# KiCad board robot-hub_rev4.1.kicad_pcb (continued)
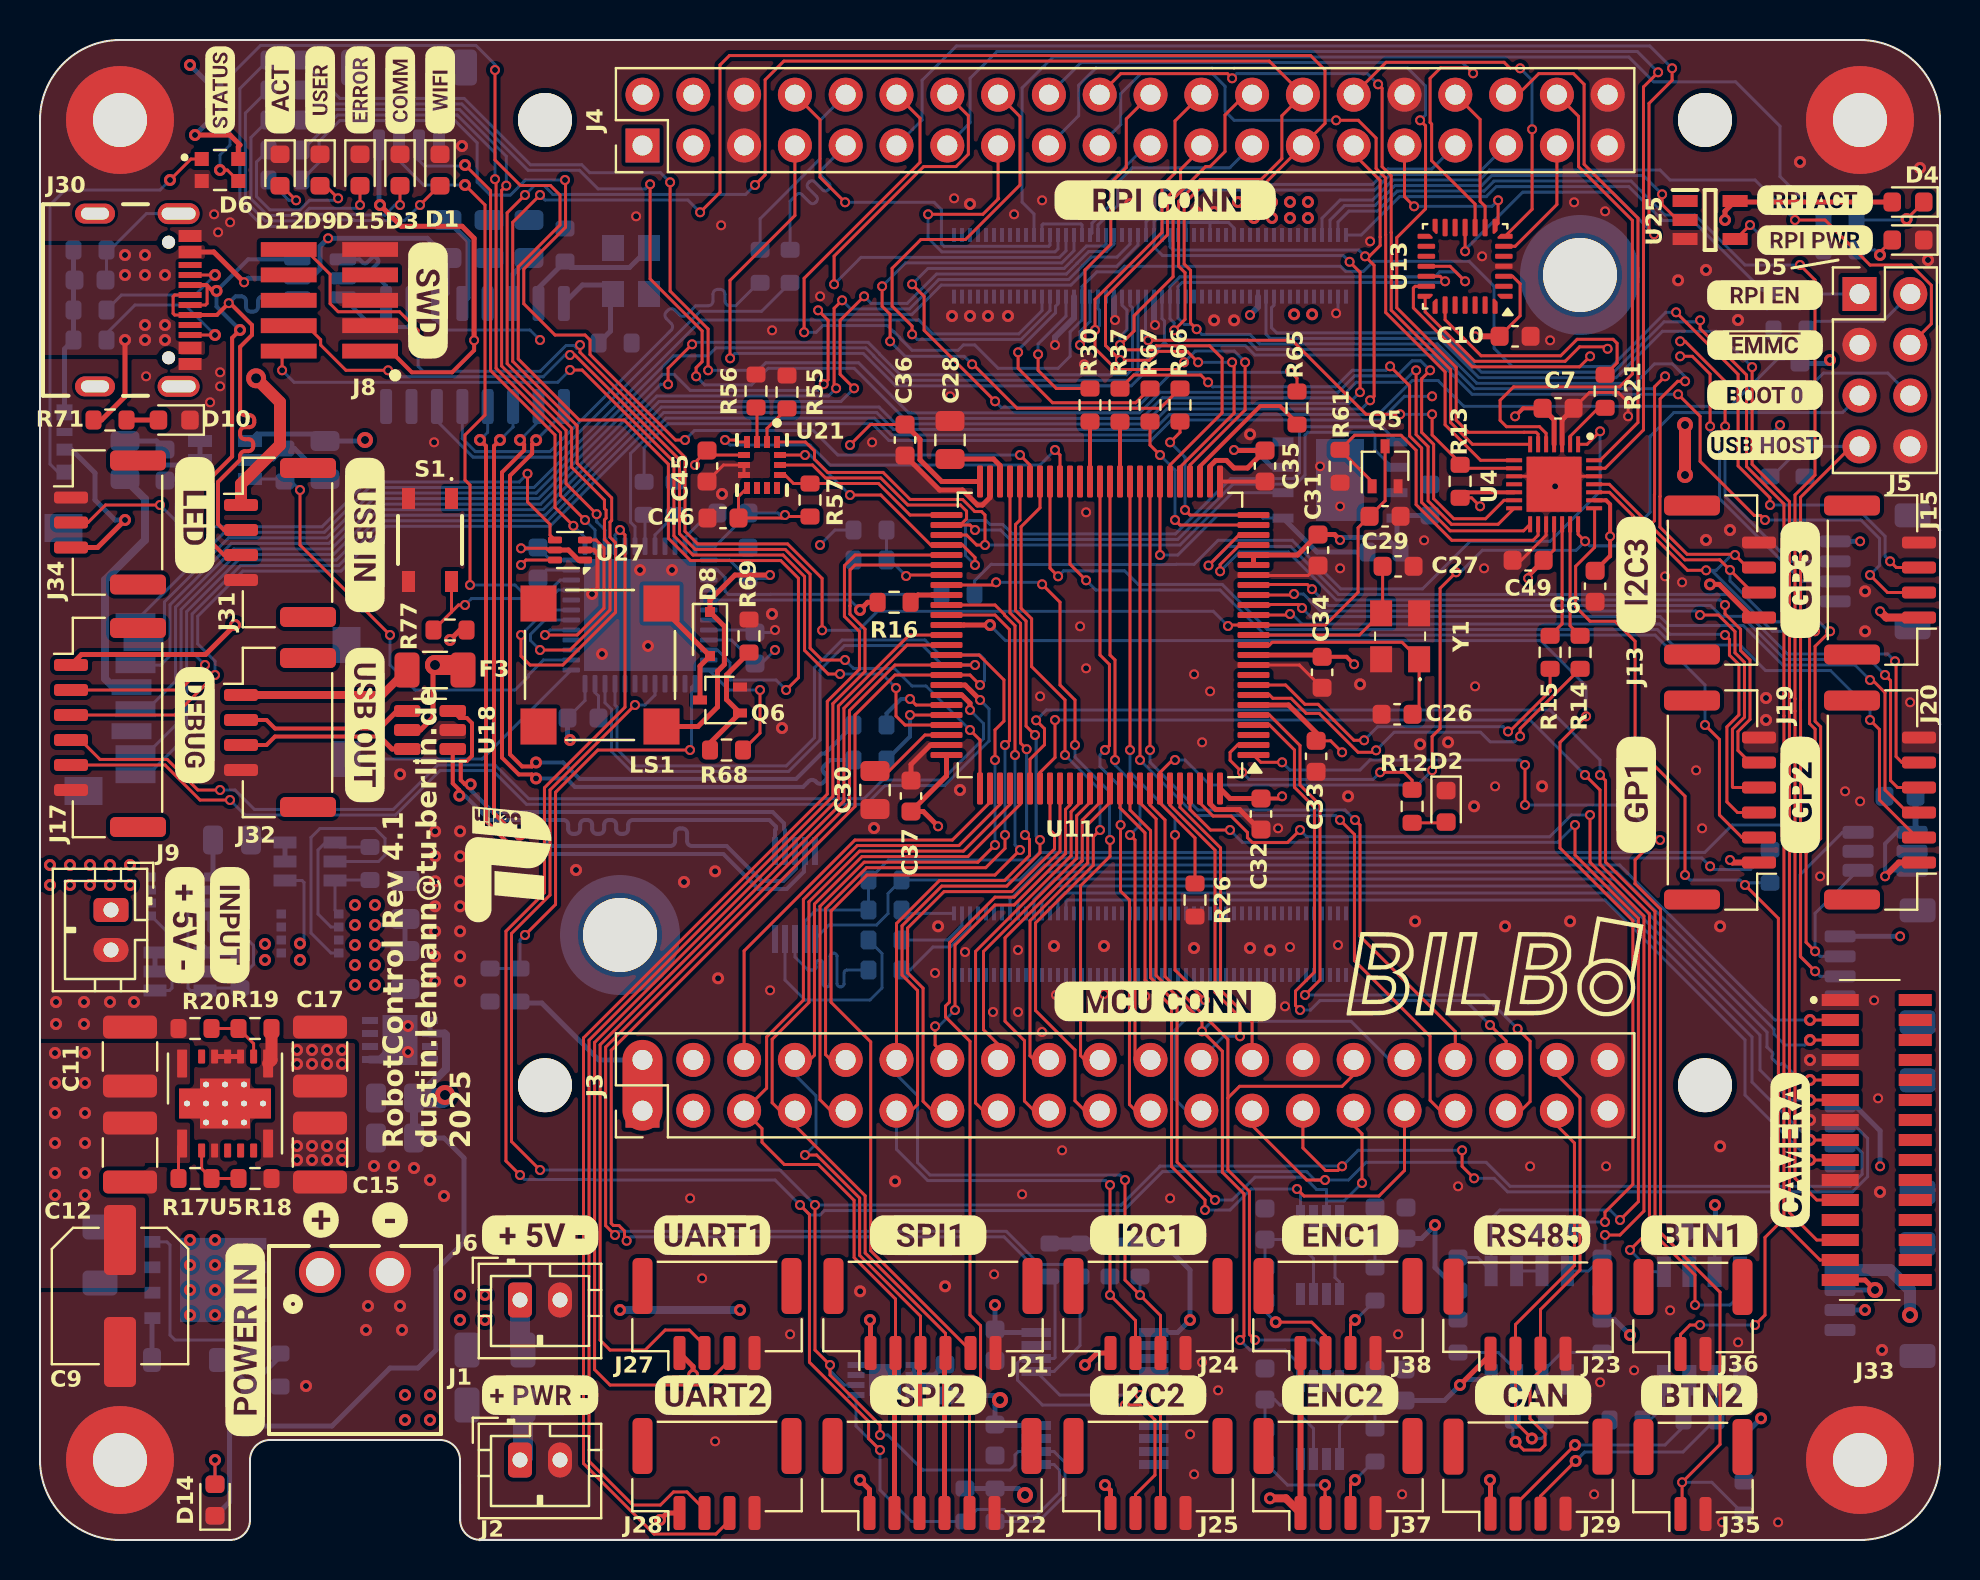
[diagram p0: board, top side]
## Routing (per net, layer and track width the routed paths; a pad name or vN(x,y) marks a point on that pad's centre or on a via; arc(x,y) is an arc through that point) (continued)
CM4_GPIO16: length 26.7
  Top w0.15: v2(39.7,62.78) 39.7,64.19 44.18,68.67 45.8,68.67 46.42,69.29 46.42,71.21 J4.14
  Bottom w0.15: Module1.29 51.3,64.46 50.97,64.13 41.05,64.13 v2(39.7,62.78)
CM4_GPIO18: length 18.3
  Bottom w0.15: Module1.49 55.3,65.91 55.75,66.36 55.75,67.46 56.07,67.78 66.63,67.78 67.41,68.55 69.59,68.55 J4.33
CM4_GPIO19: length 25.1
  Top w0.15: J4.16 49,71.17 49,67.75 46.28,65.03 44.04,65.03 42.6,63.59 42.6,61.69 43.6,60.69 v2(43.6,60.28)
  Bottom w0.15: Module1.26 50.5,61.48 49.05,60.03 43.86,60.03 v2(43.6,60.28)
CM4_GPIO20: length 15.2
  Top w0.15: J4.15 47.91,67.09 47.93,67.07 47.14,66.28 v2(44.41,66.28)
  Bottom w0.15: Module1.27 50.9,64.56 50.75,64.41 45.09,64.41 44.41,65.1 v2(44.41,66.28)
CM4_GPIO21: length 19.1
  Top w0.15: J4.8 39,71.01 39,68.14 v2(40.25,66.89)
  Bottom w0.15: v2(40.25,66.89) 44.7,66.89 45.07,66.52 45.07,64.82 45.21,64.69 50.44,64.69 50.5,64.75 Module1.25
CM4_NRST: length 16.9
  Top w0.15: 66.6,52.91 R61.1 65.73,55.24 68.05,55.24 68.81,54.48 68.81,51.77 70.59,49.98 74.66,49.98 74.91,50.23 U4.16
CM4_RXD2: length 5.6
  Bottom w0.15: 55.32,69.72 53.6,68 53.6,66.84 52.6,65.84 52.6,65.35 Module1.35
CM4_RXD5: length 12
  Top w0.15: v2(48.91,59.39) 48.91,58.59 50.63,56.86 54.79,56.86 R67.1
  Bottom w0.15: Module1.28 50.9,61.81 50.78,61.69 50.78,61.36 48.91,59.49 v2(48.91,59.39)
CM4_SCL1: length 186.5
  Top w0.15: v2(81.25,58.19) 80.73,57.66 80.73,52.29 80.72,52.28 80.72,50.96 80.5,50.75 ; v2(71.25,62.94) 70.5,63.69 U13.18 ; v2(25,44.5) 26.5,44.5 28.5,46.5 28.5,49.75 28.22,50.03 28.22,51.01 28.31,51.09 28.31,51.49 28.22,51.57 28.22,52 26.58,53.64 26.58,55.59 23.36,58.82 23.36,66.36 v2(24.25,67.25) ; 80.5,50.75 82.24,49.01 83.99,49.01 v2(84.5,48.5) 85.62,47.38 ; 80.5,50.75 78.47,52.78 U4.25 ; v2(89.5,45.44) 88.75,44.69 88.75,40.94 89.03,40.66 89.03,35.07 88.3,34.34 88.3,29.89 v2(88.75,29.44) ; v2(35.75,67.75) 36.26,68.26 36.26,73.01 37.2,73.95 61.46,73.95 J4.28 62.09,71.21 62.09,69.06 61.06,68.03 58.03,68.03 56.93,66.93 56.93,63.69 57.25,63.37 57.25,61.03 v2(56.7,60.48)
  Bottom w0.15: J11.2 89,29.19 v2(88.75,29.44) 88.75,31.34 U12.1 ; v2(89.5,45.44) 89.43,45.44 88.95,45.91 86.55,45.91 84.5,47.96 v2(84.5,48.5) ; v2(71.25,62.94) 70.78,63.41 69.98,63.41 69.73,63.16 57,63.16 56.5,62.66 Module1.56 56.5,61.06 56.7,60.86 v2(56.7,60.48) 57.19,60 60.38,60 60.85,59.53 69.75,59.53 71.72,57.56 80.63,57.56 v2(81.25,58.19) ; v2(35.75,67.75) 35.28,67.28 25.64,67.28 25.2,67.72 24.72,67.72 v2(24.25,67.25) ; v2(25,44.5) 24.53,44.98 24.53,45.28 25.25,46 U1.30
CM4_SDA1: length 199.2
  Top w0.15: v2(83.31,48.48) 82.37,48.48 78.47,52.39 U4.24 ; v2(82.25,57.94) 81.88,57.94 81,57.06 81,52.18 81,52.17 81,50.64 82.36,49.28 84.72,49.28 v2(84.75,49.25) 85.38,48.62 ; v2(25,67.25) 23.63,65.89 23.63,58.93 26.86,55.71 26.86,53.83 28.58,52.11 28.58,50.98 28.5,50.9 28.5,50.14 28.78,49.86 28.78,46.39 26.14,43.75 24.5,43.75 24.05,44.2 v2(24.05,45.25) ; v2(70.25,62.94) 70,63.19 U13.19 ; v2(88.75,45.44) 88.48,45.16 88.48,40.82 88.75,40.54 88.75,35.19 88.03,34.46 88.03,29.16 v2(88.75,28.44) ; v2(57.83,60.54) 57.53,60.85 57.53,63.48 57.21,63.8 57.21,66.82 58.14,67.75 61.17,67.75 J4.27 64.25,70.83 64.25,73.5 63.53,74.22 34.47,74.22 34,73.75 34,67.38 v2(33,66.39)
  Bottom w0.15: v2(25,67.25) 25.25,67 32.39,67 v2(33,66.39) ; J11.3 89,28.19 v2(88.75,28.44) 88,29.19 88,33.26 90.13,35.39 U12.3 ; U1.31 25.3,46.5 v2(24.05,45.25) ; v2(84.75,49.25) 84.58,49.25 83.81,48.48 v2(83.31,48.48) 83.58,48.48 86.63,45.44 v2(88.75,45.44) ; v2(82.25,57.94) 82.25,58.17 81.62,58.8 80.72,58.8 79.76,57.84 71.83,57.84 69.87,59.8 60.97,59.8 60.5,60.28 58.1,60.28 v2(57.83,60.54) 57.6,60.78 57.22,60.78 56.9,61.1 Module1.58 56.9,62.67 57.11,62.88 70.2,62.88 v2(70.25,62.94)
CM4_SPI0_CE0: length 35.3
  Top w0.15: v2(47.75,56.94) 44.2,60.48 44.2,62.19 v2(43.6,62.78) ; R65.1 62.85,58.09 v2(62.5,58.44)
  Bottom w0.15: v2(43.6,62.78) 44.4,63.58 51.21,63.58 51.57,63.95 51.57,63.95 52.32,64.7 53.2,64.7 53.3,64.8 Module1.39 ; v2(62.5,58.44) 62.45,58.39 56.6,58.39 54.86,56.64 48.05,56.64 v2(47.75,56.94)
CM4_TXD0: length 99.2
  Top w0.15: J17.3 6.75,41.25 v2(8.75,43.25) ; v2(66.5,56.98) 66.7,57.19 66.7,63.73 v2(66.25,64.19) 66.46,64.19 67.01,64.73 67.01,65.14 67,65.14 67,67.98 65.69,69.3
  Bottom w0.15: v2(66.25,64.19) 65.94,64.5 56.65,64.5 56.5,64.65 Module1.55 ; v2(66.5,56.98) 66.07,56.55 56.35,56.55 55.32,55.53 42.68,55.53 41.84,56.37 31.18,56.37 25.5,50.69 17.29,50.69 15.05,48.45 10.14,48.45 7.88,46.19 7.88,44.81 8.75,43.94 v2(8.75,43.25)
CM4_TXD2: length 16.6
  Top w0.15: v2(52,59.75) 52.25,60 52.25,63.5 53.54,64.79 53.54,67.85 54.31,68.62 54.31,71.05 J4.22
  Bottom w0.15: Module1.36 52.5,60.92 52,60.42 v2(52,59.75)
CM4_TXD5: length 30.3
  Top w0.15: v2(42.5,59.94) 42.5,61.28 42.1,61.69 v2(42.1,62.69) ; R66.1 56.01,56.59 48.85,56.59 46.66,58.78 v2(46.6,58.78)
  Bottom w0.15: v2(46.6,58.78) 46.2,59.19 43.25,59.19 v2(42.5,59.94) ; v2(42.1,62.69) 43.27,63.85 51.09,63.85 51.7,64.47 Module1.31
CM4_UC_NEW_SAMPLES: length 7.2
  Top w0.15: R30.2 50.81,57.58 49.91,58.48 v2(49.91,59.28)
  Bottom w0.15: Module1.30 51.3,61.2 49.91,59.8 v2(49.91,59.28)
CM4_UC_RESET_UART: length 28.1
  Top w0.15: U4.15 74.18,50.46 70.51,50.46 69.08,51.89 69.08,54.6 68.48,55.2 68.48,57.71 v2(67.5,58.69) ; v2(58.41,57.89) 58.04,58.25 54.68,58.25 R37.1
  Bottom w0.15: v2(67.5,58.69) 67.31,58.49 65.62,58.49 64.79,57.66 58.63,57.66 v2(58.41,57.89)
CM4_USB_ROLE: length 79.2
  Top w0.15: 90.57,54.68 88.03,52.14 88.03,41.95 88.03,41.95 88.03,41.55 88.03,41.55 88.03,35.66 v2(88.25,35.44)
  Bottom w0.15: 90.97,54.68 88.39,54.68 ; v2(88.25,35.44) 87.94,35.75 84.61,35.75 83.24,34.38 49.97,34.38 49.59,34 42.42,34 R53.2 R4.2 38.8,31.5 38.25,30.95 U19.2 ; R7.1 86.6,53.17
CS_FLASH: length 15.6
  Top w0.15: U11.32 v2(56,49.25)
  Bottom w0.15: v2(56,49.25) 56.89,49.25 58.89,51.25 61,51.25 61.16,51.09 U10.1
  Bottom w0.25: U10.1 63.84,49.4 R22.2
CS_IMU: length 9.2
  Top w0.15: U11.51 43.5,51.25 41.92,52.83 R57.2 37.67,52.83 37.25,53.25 U21.12
DETECT_USB: length 4.7
  Top w0.15: U11.57 43.35,48.25 v2(43.31,48.2)
  Bottom w0.15: R24.2 R25.1 ; v2(43.31,48.2) 42.5,49
ENABLE_SD: length 23.1
  Top w0.15: v2(13,52.5) 13,49.75 v2(17.5,45.25)
  Bottom w0.15: 12.57,52.92 v2(13,52.5) ; U9.3 12.12,53.05 ; U1.26 25.17,44 24.42,43.25 24.42,43.17 23.75,42.5 18.75,42.5 17.5,43.75 v2(17.5,45.25)
ENC1_A: length 41.8
  Top w0.15: 59.39,22.1 59.39,25.03 56.25,28.18 56.25,36 55.5,36.75 U11.93 ; 59.39,22.1 59.98,22.69 65.1,22.69 65.69,23.27 ; 59.39,22.1 59.39,18.5 60.47,17.42 60.47,10.28 v2(60.75,10)
  Bottom w0.15: v2(60.75,10) 63.75,10 64.32,9.42 U28.7
ENC1_B: length 44.9
  Top w0.15: 55,36.86 55.8,36.05 55.8,28.23 58.1,25.93 v2(58.1,25.44) 58.12,25.44 59.12,24.44 59.12,18.39 60.2,17.31 60.2,10.2 v2(60,10)
  Bottom w0.15: U28.5 63.03,8.73 62.25,9.5 60.5,9.5 v2(60,10) ; 68.22,23.27 65.56,25.94 58.6,25.94 v2(58.1,25.44)
ENC2_A: length 35.2
  Top w0.15: 65.69,20.73 66.1,20.31 v2(66.1,17.85) ; U11.91 54.5,36.5 55.53,35.47 55.53,28.11 56.85,26.79 56.85,18.9 v2(58.75,17)
  Bottom w0.15: 64.32,16.9 64.32,17.53 63.83,17.53 63.22,18.14 60.75,18.14 59.61,17 v2(58.75,17) ; 64.32,16.9 64.38,16.95 65.2,16.95 v2(66.1,17.85) ; 64.32,16.9 U29.7
ENC2_B: length 37.6
  Top w0.15: v2(58.25,16.5) 58.25,17 56.58,18.67 56.58,26.67 55.25,28 55.25,35.36 54,36.61 U11.90 ; v2(62.85,17.55) 63.2,17.2 66.95,17.2 68.22,18.48 68.22,20.73
  Bottom w0.15: U29.5 63.03,17.38 v2(62.85,17.55) 60.55,17.55 59.5,16.5 v2(58.25,16.5)
ERROR_LED: length 33.2
  Top w0.15: v2(27.83,51.29) 26.3,52.82 26.3,55.48 23.08,58.7 23.08,67.48 v2(23.31,67.72)
  Bottom w0.15: v2(27.83,51.29) 27.83,50.92 28.25,50.5 U1.39 ; R75.1 13.6,71.53 20.97,71.53 23.31,69.19 v2(23.31,67.72)
IMU_INT1: length 20.1
  Top w0.15: v2(34.25,55) 34.75,55 34.85,54.9 U21.4 ; v2(50.75,54.5) 51,54.25 U11.42
  Bottom w0.15: v2(34.25,55) 34.5,54.75 38.5,54.75 39.5,53.75 50,53.75 v2(50.75,54.5)
L431_SCL: length 136.5
  Top w0.15: v2(65.1,18.69) 64.89,18.48 64.28,18.48 63.14,19.61 63.14,20.73 ; v2(71.7,18.09) 71.1,18.69 v2(71.1,19.48) ; v2(42,5.25) 42,5.75 39.5,8.25 v2(39.5,8.75) 38.75,9.5 v2(38.75,16.75) ; v2(25,18.5) 23.57,19.92 23.57,30.33 25.5,32.25 25.5,37.5 v2(29.75,41.75)
  Bottom w0.15: U22.2 40.22,7.75 39.5,8.48 v2(39.5,8.75) ; R9.1 49.92,0.93 51.25,2.25 51.25,3.87 50.7,4.42 U8.6 48.92,4.42 48.75,4.25 48.75,3.75 48.5,3.5 44.14,3.5 42.39,5.25 v2(42,5.25) ; J14.2 90.78,20.69 91.38,20.08 91.38,18.17 90.62,17.41 73.38,17.41 72.7,18.09 v2(71.7,18.09) ; v2(29.75,41.75) 30.25,41.75 30.75,42.25 U1.17 ; v2(71.1,19.48) 65.91,19.48 v2(65.1,18.69) 65.09,18.7 56,18.7 56,18.69 54.06,16.75 v2(38.75,16.75) 37,18.5 v2(25,18.5)
L431_SDA: length 145.3
  Top w0.15: v2(38,16.75) 38.47,16.28 38.47,8.89 41.43,5.93 41.43,5.07 v2(42,4.5) ; v2(29,50.5) 29.25,50.25 29.25,41.64 25.22,37.61 25.22,32.36 23.3,30.44 23.3,18.95 v2(24,18.25) ; v2(64.25,18) 63.33,18 60.6,20.73
  Bottom w0.15: J14.3 90.78,19.69 91.1,19.36 91.1,18.28 90.5,17.69 73.5,17.69 72.31,18.89 66.31,18.89 65.42,18 v2(64.25,18) 63.75,18 63.33,18.42 56.12,18.42 54.18,16.47 39.22,16.47 39,16.25 38.5,16.25 v2(38,16.75) 36.75,18 27.75,18 27.72,18.03 24.22,18.03 v2(24,18.25) ; U8.5 50.7,3.78 50.97,3.5 50.97,2.36 49.81,1.2 48.5,1.2 48.5,1.22 48.2,1.53 46.85,1.53 R10.1 43.57,0.93 42,2.5 v2(42,4.5) 40.8,5.7 U22.1 ; U1.40 28.75,50.25 v2(29,50.5)
L431_SWCLK: length 24.8
  Top w0.15: v1(21.25,68.75) 22.53,67.47 22.53,58.47 25.75,55.25 25.75,51.63 v2(26.67,50.71)
  Bottom w0.15: U1.37 27.25,50.13 v2(26.67,50.71) ; J10.3 18.95,68.98 19.23,68.7 21.2,68.7 v1(21.25,68.75)
L431_SWDIO: length 31
  Top w0.15: v1(21.25,67.75) 22.25,66.75 22.25,56.25 21.25,55.25 21.25,53 21.5,52.75 v2(21.5,47.75)
  Bottom w0.15: U1.34 26.01,48 25.36,47.35 24.15,47.35 23.75,47.75 v2(21.5,47.75) ; v1(21.25,67.75) 19.18,67.75 17.95,68.98 J10.2
nPWR_LED: length 20.3
  Top w0.15: v2(81.1,67.28) 81.1,66.77 81.88,66
  Bottom w0.15: v2(81.1,67.28) 80.17,68.22 72.59,68.22 72.09,67.72 67.75,67.72 66.75,66.72 65.23,66.72 64.5,65.99 Module1.95
nRPIBOOT: length 38.1
  Top w0.15: v2(87.75,66) 89.25,66 91.5,63.75 93.55,63.75 94.57,62.74 94.57,60.81 93.51,59.76
  Bottom w0.15: Module1.93 64.1,66.09 65.01,67 66.64,67 67.64,68 71.97,68 72.47,68.5 81,68.5 81.5,68 85.75,68 v2(87.75,66)
NRST: length 76.8
  Top w0.15: v2(39.1,45.48) 39.1,48.08 37.38,49.8 32.88,49.8 32.25,50.43 32.25,54.13 27,59.38 v2(27,59.75) ; 13.27,64.53 14.5,63.28 14.5,61.82 14.91,61.41 17.98,61.41 18.91,60.48 v2(18.91,59.48) ; v2(59.4,45.7) 59.45,45.75 U11.14 64.27,45.75 65.91,47.39 65.91,50.61 C29.1 67.25,51.96 Q5.3
  Bottom w0.15: v2(39.1,45.48) 40.92,45.48 41.87,46.44 58.66,46.44 v2(59.4,45.7) ; v2(18.91,59.48) 18.91,58.69 19.15,58.44 25.02,58.44 26.3,59.73 26.7,59.73 26.84,59.59 v2(27,59.75)
PB1: length 34.9
  Top w0.15: U11.35 v2(54.5,39.5) ; v2(56.75,35.25) 56.75,28.5 v2(58.25,27)
  Bottom w0.15: v2(58.25,27) 56.75,25.5 56.75,22.04 58.06,20.73 ; v2(54.5,39.5) 54.5,38.39 56.75,36.14 v2(56.75,35.25)
PC0: length 34.7
  Top w0.15: v2(84.25,45.25) 84.47,45.03 84.47,44.24 84.95,43.77 84.95,41.26 84.34,40.65 84.34,36.91 84.88,36.38 J19.3 ; v2(62.5,46.3) 62.45,46.25 U11.15
  Bottom w0.15: v2(84.25,45.25) 84.22,45.28 81.5,45.28 80.98,45.8 63.1,45.8 62.6,46.3 v2(62.5,46.3)
PC1: length 39.9
  Top w0.15: v2(63.1,46.6) 62.92,46.78 61.5,46.78 61.47,46.75 U11.16 ; 93.38,36.38 92.25,37.5 92.25,42.37 91.62,43 v2(91.5,43)
  Bottom w0.15: v2(63.1,46.6) 63.53,46.17 81,46.17 81.45,45.73 85.16,45.73 87.14,43.75 90.75,43.75 v2(91.5,43)
PC8: length 33.3
  Top w0.15: U11.65 46.95,44.25 48.2,43 48.2,40.95 47.75,40.5 v2(47.75,39) ; v2(47.75,34.75) 46.89,33.89 41.21,33.89 39,31.68 39,22.01 40.28,20.73
  Bottom w0.15: v2(47.75,39) v2(47.75,34.75)
PD2: length 22.8
  Top w0.15: 45.37,20.73 44.15,21.94 44.15,27.59 43.38,28.36 43.38,30.6 45.2,32.42 48.59,32.42 50.72,34.55 50.72,35.28 50.5,35.5 U11.83
PD4: length 17.2
  Top w0.15: v2(45.75,26.5) 45.75,29.75 47.75,31.75 48.71,31.75 51.28,34.32 51.28,35.61 51.28,35.61 51.28,36.53 51.5,36.75 U11.85 ; v2(44.75,25.69) 44.75,24.75 45.37,24.14
  Bottom w0.15: v2(44.75,25.69) 44.94,25.69 v2(45.75,26.5)
PD5: length 18.8
  Top w0.15: 47.91,20.73 46.78,21.85 46.78,29.43 51.56,34.21 51.56,35.73 51.55,35.73 51.55,36.41 52,36.86
PD6: length 16
  Top w0.15: 47.91,23.44 47.91,24.78 47.17,25.52 47.17,29.42 51.83,34.08 51.83,36.21 52.5,36.88
PD7: length 19.1
  Top w0.15: 52.11,33.97 52.07,33.93 ; 52.11,33.97 52.07,33.93 ; 52.11,33.97 52.11,35.99 53,36.88 ; 52.07,33.93 48.25,30.11 48.25,25.94 49.22,24.97 49.22,21.95 50.44,20.73
PD8 (UART3_TX): length 65.3
  Top w0.15: U11.55 40.76,49.25 40.22,48.72 40.22,46.82 40.22,46.82 40.22,46.18 40.97,45.43 40.97,43.54 39.37,41.93 39.37,37.3 27.17,25.11 27.17,3.83 30.7,0.3 33.8,0.3 34.47,0.97
PD9 (UART3_RX): length 62.8
  Top w0.15: U11.56 40.75,48.75 40.5,48.5 40.5,46.71 40.5,46.71 40.5,46.29 41.25,45.54 41.25,43.43 39.64,41.82 39.64,37.18 27.45,24.99 27.45,3.94 29.64,1.75 31.02,1.75 31.68,2.4 32.35,2.4 33.22,1.53
PD11: length 31.8
  Top w0.15: v2(47.81,47.89) 47.67,47.75 U11.58 ; v2(51.75,39.75) 51.75,42 51,42.75 51,46.89 v2(50.1,47.78) ; 52.98,23.27 52.03,24.22 52.03,32.71 53.5,34.18 v2(53.5,35)
  Bottom w0.15: v2(51.75,39.75) 51.75,39.14 53.47,37.42 53.47,35.03 v2(53.5,35) ; v2(50.1,47.78) 50,47.89 v2(47.81,47.89)
PD14: length 33.4
  Top w0.15: U11.61 47.75,46.25 48.47,45.53 48.47,39.97 v2(48.25,39.75) ; v2(48.25,35.25) 48.25,34.58 47.29,33.62 41.32,33.62 39.28,31.57 39.28,24.27 40.28,23.27
  Bottom w0.15: v2(48.25,39.75) v2(48.25,35.25)
PE7 (UART7_RX): length 30.9
  Top w0.15: U11.37 53.5,44.25 53.75,44 v2(53.75,39) ; v2(54.5,35.25) 54.75,35 54.75,24.04 55.53,23.27
  Bottom w0.15: v2(54.5,35.25) 55,35.75 55,37.5 53.75,38.75 v2(53.75,39)
PE8 (UART7_TX): length 33.6
  Top w0.15: v2(54.03,35.75) 54.03,35.75 54.03,32.45 54.47,32 54.47,21.78 55.53,20.73 ; v2(53.25,39.5) 53.47,39.72 53.47,43.78 53,44.25 U11.38
  Bottom w0.15: v2(53.25,39.5) 53,39.25 53,38.68 54.03,37.65 v2(54.03,35.75)
PE11: length 47.6
  Top w0.15: U11.41 51.5,48.79 v2(52.31,47.98) ; v2(83.25,40.75) 83.97,40.03 83.97,36.25 85.1,35.12 J19.2
  Bottom w0.15: v2(52.31,47.98) 52.79,47.5 59,47.5 61.25,45.25 80.75,45.25 83.25,42.75 v2(83.25,40.75)
PE13: length 55.8
  Top w0.15: U11.43 50.5,48.59 v2(50.91,48.19) ; v2(91.5,41) 91.97,40.53 91.97,37 93.85,35.12
  Bottom w0.15: v2(50.91,48.19) 51.18,48.46 54.23,48.46 54.91,47.78 59.11,47.78 61.37,45.52 80.87,45.52 81.64,44.75 85,44.75 86.28,43.47 89.53,43.47 91.5,41.5 v2(91.5,41)
PE14: length 36.9
  Top w0.15: 52.98,20.73 51.75,21.96 51.75,24.5 49.78,26.47 49.78,30.85 52.66,33.74 52.66,35.16 v2(53,35.5) ; v2(51.25,39.25) 51.25,42 49.58,43.67 49.58,46.06 49.05,46.59 49.05,50.66 50,51.61 U11.44
  Bottom w0.15: v2(53,35.5) 53,37.5 v2(51.25,39.25)
POWER_IN:
  vias: v1(7.5,15) v1(7.5,13.75) v1(7.5,12.5) v1(7.5,11.25) v1(8.75,15) v1(8.75,13.75) v1(8.75,12.5) v1(8.75,11.25)
PWM_BUZZER: length 6.3
  Top w0.15: R68.2 36,40.35 v2(36,42.5)
  Bottom w0.15: U1.12 34.44,42.5 v2(36,42.5)
PWM_NEOPIXEL_1: length 64.6
  Top w0.15: v2(22.75,73.5) 22.75,69 24.03,67.72 25.53,67.72 26,67.25 26,65.75 23.91,63.66 23.91,59.05 26.96,56 29.21,56 31.42,53.79 31.42,50.08 32.53,48.97 37.04,48.97 37.92,48.09 37.92,43.12 v2(37.31,42.5)
  Bottom w0.15: U26.3 9.5,73.2 11.03,74.73 21.79,74.73 22.75,73.77 v2(22.75,73.5) ; U1.10 33.87,44.5 34.5,43.87 34.5,43 36.81,43 v2(37.31,42.5)
PWM_NEOPIXEL_2: length 9
  Top w0.15: v2(25.25,45.25) 26.86,45.25 28.2,46.59 28.2,49.6 27.8,50 U27.3
  Bottom w0.15: U1.29 25.5,45.5 v2(25.25,45.25)
RS485_1_A: length 24.3
  Top w0.15: v1(74.59,5.08) 73.78,5.89 J23.2 73.78,10.78 76.72,13.72 76.72,19.85 75.84,20.73
  Bottom w0.15: 75.1,8.39 76.08,9.38 R89.1 ; 75.29,7.84 R87.2 75.29,5.29 75.07,5.08 v1(74.59,5.08)
RS485_1_B: length 28.4
  Top w0.15: v1(73.78,4.91) 74.19,4.5 75,4.5 75.25,4.75 75.25,5.31 74.5,6.06 74.5,7.94 75.03,8.47 J23.3 75.03,11.53 77,13.5 77,22.11 75.84,23.27
  Bottom w0.15: 73.83,8.03 73.83,6.23 ; v1(73.78,4.91) 73.64,5.05 R87.1 ; 73.83,8.46 72.92,9.38 R88.2
RS485_EN: length 67.9
  Top w0.15: v2(78.25,15.9) 78.25,16.39 79.64,17.78 79.64,30.97 76.58,34.03 76.57,34.03 76,34.6 76,39.88 v2(77.31,41.19)
  Top w0.25: v1(47.5,45.75) 46.19,45.75 46.19,45.75 U11.62
  Bottom w0.15: v2(77.31,41.19) 77.31,42.7 75.03,44.97 48.28,44.97 v1(47.5,45.75) ; 73.83,13.45 U31.3 ; v2(78.25,15.9) 76.98,15.9 R79.1 75.1,14.03
RS485_RX: length 54.2
  Top w0.15: v2(59.5,35.5) 58.53,35.5 57.5,36.53 U11.97 ; v2(79,16) 79.92,16.92 79.92,31.08 76.75,34.25 v2(76.75,35.75)
  Bottom w0.15: v2(59.5,35.5) 60.12,34.89 75.88,34.89 v2(76.75,35.75) ; R81.2 71.89,14.12 U31.1 72.56,16.06 73,16.5 78.5,16.5 v2(79,16)
RS485_TX: length 48.4
  Top w0.15: U11.98 58,36.85 58.65,36.2 59.55,36.2 60.37,35.38 60.37,35.12 60.62,34.87 62.37,34.87 v2(63,35.5) ; v2(78.25,15.25) 79,15.25 80.2,16.45 80.2,31.2 77.5,33.89 v2(77.5,36.25)
  Bottom w0.15: v2(63,35.5) 63.34,35.16 75.48,35.16 76.57,36.25 v2(77.5,36.25) ; R78.2 77.43,13.45 U31.4 ; v2(78.25,15.25) 78.25,14.28
SD_CARD_SWITCH: length 13.1
  Bottom w0.15: U1.25 22.11,39.05 J7.9
SD_CLK: length 64
  Top w0.15: v2(32.6,59.78) 31.41,58.59 v2(31.41,57.78)
  Bottom w0.15: v2(31.41,57.78) 31.03,57.78 25.04,51.79 16.8,51.79 14.56,49.55 9.69,49.55 6.78,46.65 6.78,42.94 5.38,41.54 ; Module1.46 54.5,61.73 54.62,61.61 54.62,58.55 54.33,58.26 43.01,58.26 41.97,59.31 41.97,59.32 41.41,59.89 32.7,59.89 v2(32.6,59.78)
SD_CMD: length 64.4
  Top w0.15: v2(38.91,61.48) 39.41,60.98 39.41,58.01 v2(39.19,57.79)
  Bottom w0.15: Module1.47 54.9,64.75 53.84,63.69 52.48,63.69 52.41,63.61 52.41,63.6 51.55,62.75 45.07,62.75 43.6,61.28 39.11,61.28 v2(38.91,61.48) ; v2(39.19,57.79) 38.88,57.48 32.51,57.48 31.7,58.28 31.14,58.28 24.92,52.07 16.68,52.07 14.45,49.83 9.57,49.83 6.5,46.76 6.5,44.22 6.02,43.74 4.77,43.74
SD_DAT0: length 66.2
  Top w0.15: v2(40.1,61.98) 39.7,61.59 39.7,57.69 v2(39.81,57.59)
  Bottom w0.15: v2(39.81,57.59) 39.42,57.2 30.84,57.2 25.15,51.52 16.91,51.52 14.68,49.28 9.8,49.28 7.05,46.53 7.05,41.02 5.38,39.34 ; Module1.45 54.5,64.8 53.85,64.14 52.55,64.14 52.13,63.72 52.13,63.72 51.43,63.02 44.94,63.02 43.47,61.55 40.54,61.55 v2(40.1,61.98)
SD_DAT1: length 66.7
  Top w0.15: v2(41.2,62.19) 40,60.98 40,58.28 v2(40.7,57.59)
  Bottom w0.15: v2(40.7,57.59) 40.04,56.92 30.95,56.92 25.27,51.24 17.06,51.24 14.82,49 9.92,49 7.33,46.42 7.33,40.2 5.38,38.24 ; Module1.41 53.7,64.8 53.32,64.42 52.44,64.42 51.85,63.84 51.85,63.83 51.32,63.3 44.83,63.3 43.36,61.83 41.56,61.83 v2(41.2,62.19)
SD_DAT2: length 53
  Bottom w0.15: Module1.24 50.1,61.47 48.94,60.31 44.63,60.31 43.94,61 33.07,61 24.69,52.62 16.46,52.62 14.22,50.39 9.22,50.39 J7.1
SD_DAT3: length 60.8
  Bottom w0.15: 5.66,44.84 6.22,45.4 6.22,46.9 9.43,50.11 14.33,50.11 16.57,52.35 24.81,52.35 31.67,59.21 33.4,59.21 33.8,59.61 41.29,59.61 41.69,59.21 41.69,59.19 42.9,57.98 54.45,57.98 54.9,58.44 Module1.48
SD_POWER: length 17.8
  Bottom w0.25: C25.1 4.95,53.75 7.75,53.75 U9.5 U9.6
  Bottom w0.4: J7.4 3.67,42.64 3.25,43.06 3.25,48 5.25,50 5.25,52.05 C25.1
SIGNAL_H7_L432: length 1.9
  Top w0.25: R16.1 43.89,47.25 U11.59
STAT_LED_2: length 32.9
  Top w0.15: v2(27.25,51) 26.03,52.22 26.03,55.36 22.8,58.59 22.8,67.99 v2(22.75,68.04)
  Bottom w0.15: U1.38 27.75,50.5 v2(27.25,51) ; v2(22.75,68.04) 22.75,69.36 20.86,71.25 14.88,71.25 13.13,69.5
SWCLK: length 50.1
  Top w0.15: v2(46.5,40.5) 47,40 U11.76 ; v2(40.25,44) 39.1,44 38.5,44.59 38.5,48.29 37.26,49.53 32.76,49.53 31.97,50.32 31.97,54.02 26.74,59.25 v2(26.5,59.25) ; 13.33,60.72 14.03,60.02 14.03,59.75 15.3,58.48 v2(17.41,58.48)
  Bottom w0.15: v2(17.41,58.48) 17.73,58.16 25.16,58.16 26.25,59.25 v2(26.5,59.25) ; v2(46.5,40.5) 44.3,42.7 43.6,42.7 42.72,43.58 40.67,43.58 v2(40.25,44)
SWDIO: length 47.3
  Top w0.15: v2(42.8,42.6) 42.8,41.2 43.25,40.75 45.32,40.75 ; v2(26.5,58.5) 27.1,58.5 31.7,53.9 31.7,50.2 32.65,49.25 37.15,49.25 38.23,48.17 38.23,44.48 39.41,43.3 v2(40,43.3) ; v2(12.1,58.48) 12.1,59.12 J8.2
  Bottom w0.15: v2(40,43.3) 42.1,43.3 v2(42.8,42.6) ; v2(26.5,58.5) 25.88,57.89 12.7,57.89 v2(12.1,58.48)
SX1509_IO0: length 60.7
  Top w0.15: U4.27 78.25,53.59 80.17,55.5 80.17,72.65 v2(80.91,73.39)
  Bottom w0.15: v2(80.91,73.39) 79.87,74.43 47.84,74.43 46.5,73.09 46.5,70.87 J4.13
SX1509_IO1: length 24.7
  Top w0.15: 78,53.98 79.9,55.88 79.9,66.09 77.2,68.78 77.2,72.78 76.67,73.32 74.94,73.32 73.88,72.27
SX1509_IO2: length 40.2
  Top w0.15: U4.1 77.35,54.78 v2(78,55.44)
  Bottom w0.15: R28.2 46.73,47.96 47.56,48.78 47.6,48.78 47.62,48.78 56.79,48.78 56.81,48.78 57.7,48.78 58.91,49.98 62.61,49.98 65.04,47.56 69.13,47.56 71.5,49.94 75.5,49.94 78,52.44 v2(78,55.44)
SX1509_IO3: length 2.4
  Top w0.15: U4.2 76.5,55.19 77.93,56.61
SX1509_IO4: length 26.8
  Top w0.15: U4.5 75.31,55.34 74.98,55.66 73.33,55.66 73,55.98 73,56.98 73.68,57.66 78.98,57.66 79.62,58.3 79.62,65.98 76.93,68.67 76.93,71.18 J4.38
SX1509_IO5: length 45.4
  Top w0.15: U4.6 74.91,55.29 74.81,55.39 74.2,55.39 74.2,55.39 71.41,55.39 70.81,55.99 70.81,58.64 67.84,61.61 67.84,65.12 69.28,66.56 69.28,70.71 v2(69,70.98)
  Bottom w0.15: v2(69,70.98) 69.28,71.26 69.28,72.7 68.38,73.59 59.72,73.59 59.71,73.59 58.62,73.59 58.62,73.59 52.79,73.59 51.93,72.74 51.93,71.21 J4.17
SX1509_IO6: length 37.6
  Top w0.15: v2(66.91,72.78) 67.1,72.59 67.1,68.67 67.56,68.21 67.56,65.37 67.56,65.37 67.56,61.49 70.53,58.52 70.53,55.87 71.62,54.78 U4.7 ; v2(59.6,73.09) 59.37,73.32 54.04,73.32 J4.20
  Bottom w0.15: v2(66.91,72.78) 66.37,73.32 59.84,73.32 v2(59.6,73.09)
SX1509_IO7: length 38.2
  Top w0.15: U4.8 72.03,53.98 70.25,55.76 70.25,58.41 67.28,61.38 67.28,65.26 67.28,65.26 67.28,68.1 66.81,68.58 66.81,70.09 65.91,70.98 v2(64.81,70.98)
  Bottom w0.15: J4.19 54.04,70.78 54.04,72.32 55.04,73.32 58.5,73.32 58.51,73.31 58.63,73.31 59.25,72.69 59.25,71.44 59.7,70.98 v2(64.81,70.98)
SX1509_IO8: length 81.4
  Top w0.15: U4.13 73.2,51.98 72.28,51.06 70.69,51.06 69.68,52.07 69.68,54.78 69.08,55.38 69.08,58.06 v2(69.5,58.48) ; v2(33.41,58.48) 33.41,60.55 31.5,62.45 v2(31.5,67.89)
  Bottom w0.15: R3.1 15,72.08 21.2,72.08 24.52,68.76 27.09,68.76 27.49,68.37 31.02,68.37 v2(31.5,67.89) ; v2(33.41,58.48) 35.91,58.48 36.29,58.86 40.93,58.86 43.43,56.36 54.98,56.36 56,57.39 64.91,57.39 65.73,58.21 67.86,58.21 68.61,58.96 69.03,58.96 v2(69.5,58.48)
SX1509_IO9: length 80.8
  Top w0.15: v2(32.81,58.19) 32.81,58.61 33.1,58.91 33.1,60.46 30.5,63.06 v2(30.5,67.78) ; U4.14 72.91,50.78 70.57,50.78 69.41,51.95 69.41,54.67 68.81,55.27 v2(68.81,58.48)
  Bottom w0.15: v2(32.81,58.19) 33.23,57.76 35.58,57.76 36.41,58.59 40.7,58.59 43.21,56.08 55.09,56.08 56.12,57.11 65.03,57.11 65.81,57.89 68.14,57.89 68.74,58.48 v2(68.81,58.48) ; v2(30.5,67.78) 30.27,67.55 27.91,67.55 26.97,68.48 24.41,68.48 21.09,71.8 13.77,71.8 R58.1
SX1509_IO12: length 5.8
  Top w0.15: R15.1 76.1,45.81 U4.19
SX1509_IO13: length 5.8
  Top w0.15: R14.1 76.5,45.71 U4.20
SX1509_NINT: length 23.6
  Top w0.15: v2(68,56.28) 66.31,56.28 62.6,59.98 v2(55.41,59.98) ; 71,53.85 69.6,55.25 v2(69.6,56.28) ; U4.9 71.18,53.59 71.08,53.68
  Bottom w0.15: v2(55.41,59.98) 55.28,60.12 55.28,62.14 ; v2(69.6,56.28) v2(68,56.28)
UC_AIN1: length 40.3
  Top w0.15: U11.33 v2(55.5,39.5) ; 70.76,23.27 70.76,25.42 66,30.19 66,35.75 v2(65.75,36)
  Bottom w0.15: v2(65.75,36) 65.25,36.5 57.89,36.5 55.5,38.89 v2(55.5,39.5)
UC_AIN2: length 42.8
  Top w0.15: U11.34 v2(55,39) ; 70.76,20.73 69.5,21.98 69.5,25.19 65.72,28.97 65.72,35.28 v2(65,36)
  Bottom w0.15: v2(65,36) 64.78,36.22 57.78,36.22 v2(55,39)
UC_AIN3: length 34.4
  Top w0.15: v2(83,46.25) 83.92,46.25 84.75,45.42 84.75,44.36 85.22,43.89 85.22,41.14 84.62,40.54 84.62,37.66 84.65,37.62 J19.4 ; U11.17 62.65,47.25 v2(62.7,47.3)
  Bottom w0.15: v2(83,46.25) 82.8,46.45 64.02,46.45 63.17,47.3 v2(62.7,47.3)
UC_AIN4: length 40.4
  Top w0.15: 60.7,47.78 63.37,47.78 v2(63.6,47.54) ; v2(92.25,43.25) 92.53,42.97 92.53,37.97 92.88,37.62 J20.4
  Bottom w0.15: v2(63.6,47.54) 64.42,46.73 83.53,46.73 84.07,46.19 85.1,46.19 87.25,44.03 91.47,44.03 v2(92.25,43.25)
UC_CM4_D_N: length 10.2
  Bottom w0.15: R59.2 42.1,29.33 42.1,27.6 41.5,27 38.25,27 37.25,28 U19.4
UC_CM4_D_P: length 10.2
  Bottom w0.15: R60.2 40.34,28.5 arc(40.24,28.46) 40.2,28.36 40.2,27.8 arc(40.16,27.7) 40.06,27.66 39.99,27.66 arc(39.89,27.7) 39.85,27.8 39.85,29.2 arc(39.81,29.3) 39.71,29.34 39.64,29.34 arc(39.54,29.3) 39.5,29.2 39.5,27.8 arc(39.46,27.7) 39.36,27.66 39.29,27.66 arc(39.19,27.7) 39.15,27.8 39.15,28.85 arc(39.11,28.95) 39.01,28.99 38.94,28.99 arc(38.84,28.95) 38.8,28.85 38.8,28.64 arc(38.76,28.54) 38.66,28.5 38.4,28.5 37.75,29.15 U19.3
UC_I2C_INTERN_SCL: length 108.7
  Top w0.15: J25.2 54.78,2.28 55.75,3.25 55.75,6 55,6.75 v2(54.25,6.75) ; v2(29.33,14.96) 29.22,15.07 29.22,15.45 28.95,15.73 28.67,15.73 28.56,15.83 28.56,24.49 40.75,36.68 40.75,41.25 42.75,43.25 U11.67 46.5,43.25 v2(47,42.75)
  Bottom w0.15: v2(54.25,6.75) 50.12,6.75 48.87,8 48.87,8.85 49.1,9.08 U7.6 50.7,9.08 50.75,9.13 50.75,12.92 ; v2(47,42.75) 47.22,42.98 47.22,44.03 47,44.25 45,44.25 44.25,45 40.11,45 38.72,43.61 38.72,40.11 37.31,38.7 29.69,38.7 28.85,39.54 28.85,41.65 28.75,41.75 U1.21 ; 50.18,13.17 48.2,15.16 29.53,15.16 v2(29.33,14.96)
